# KiCad board Keyboard.kicad_pcb
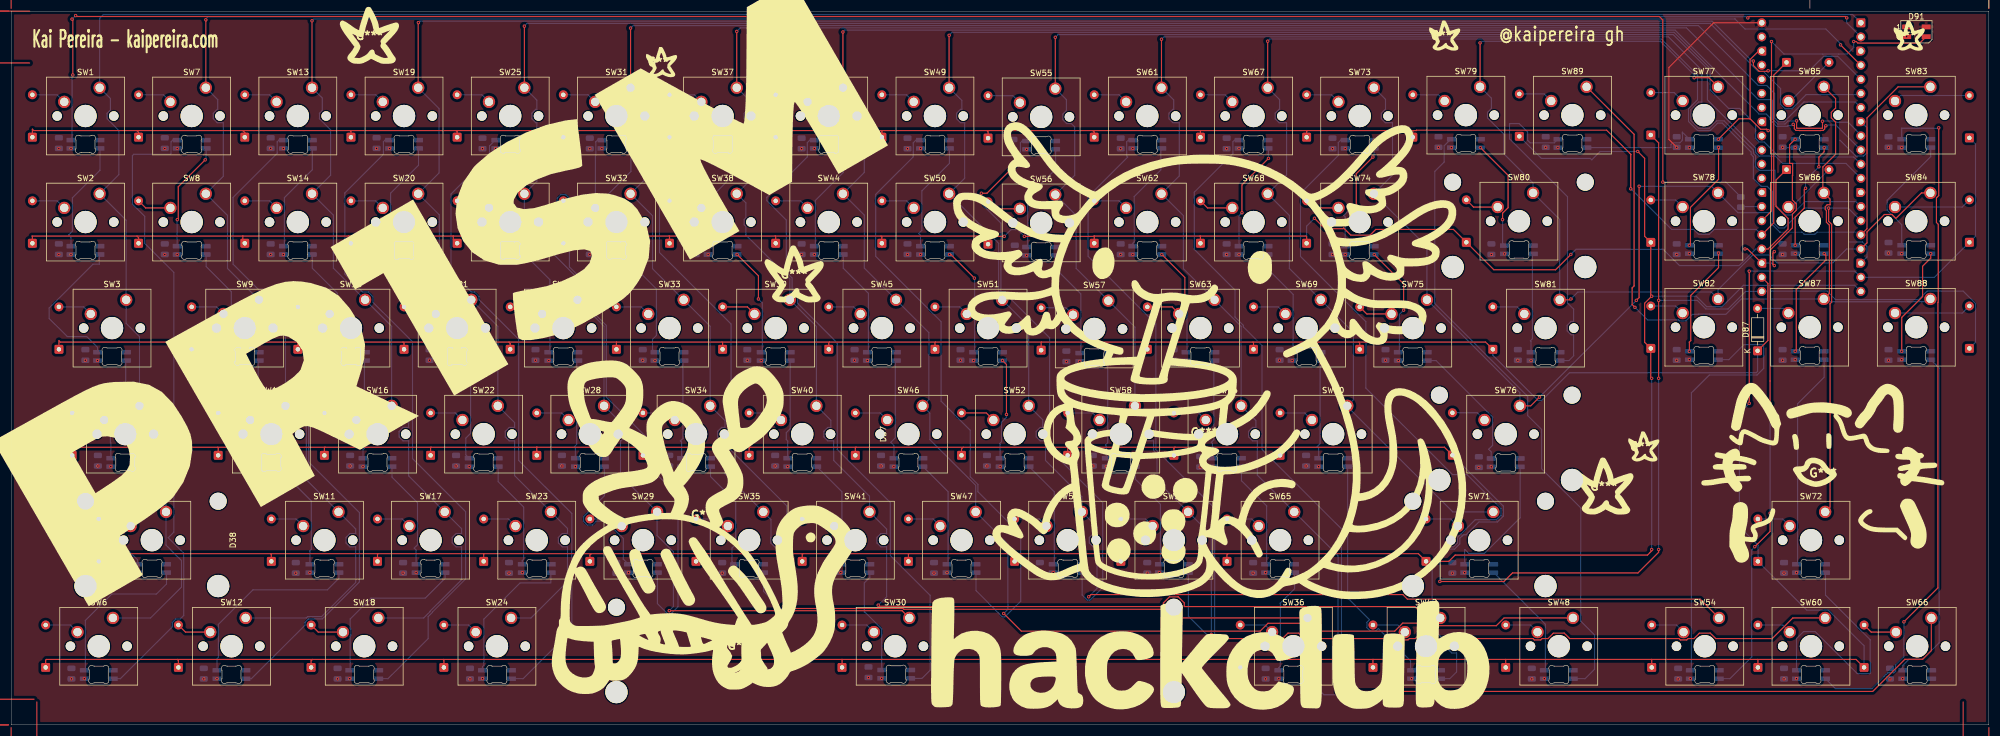
[diagram p0: board, top side]
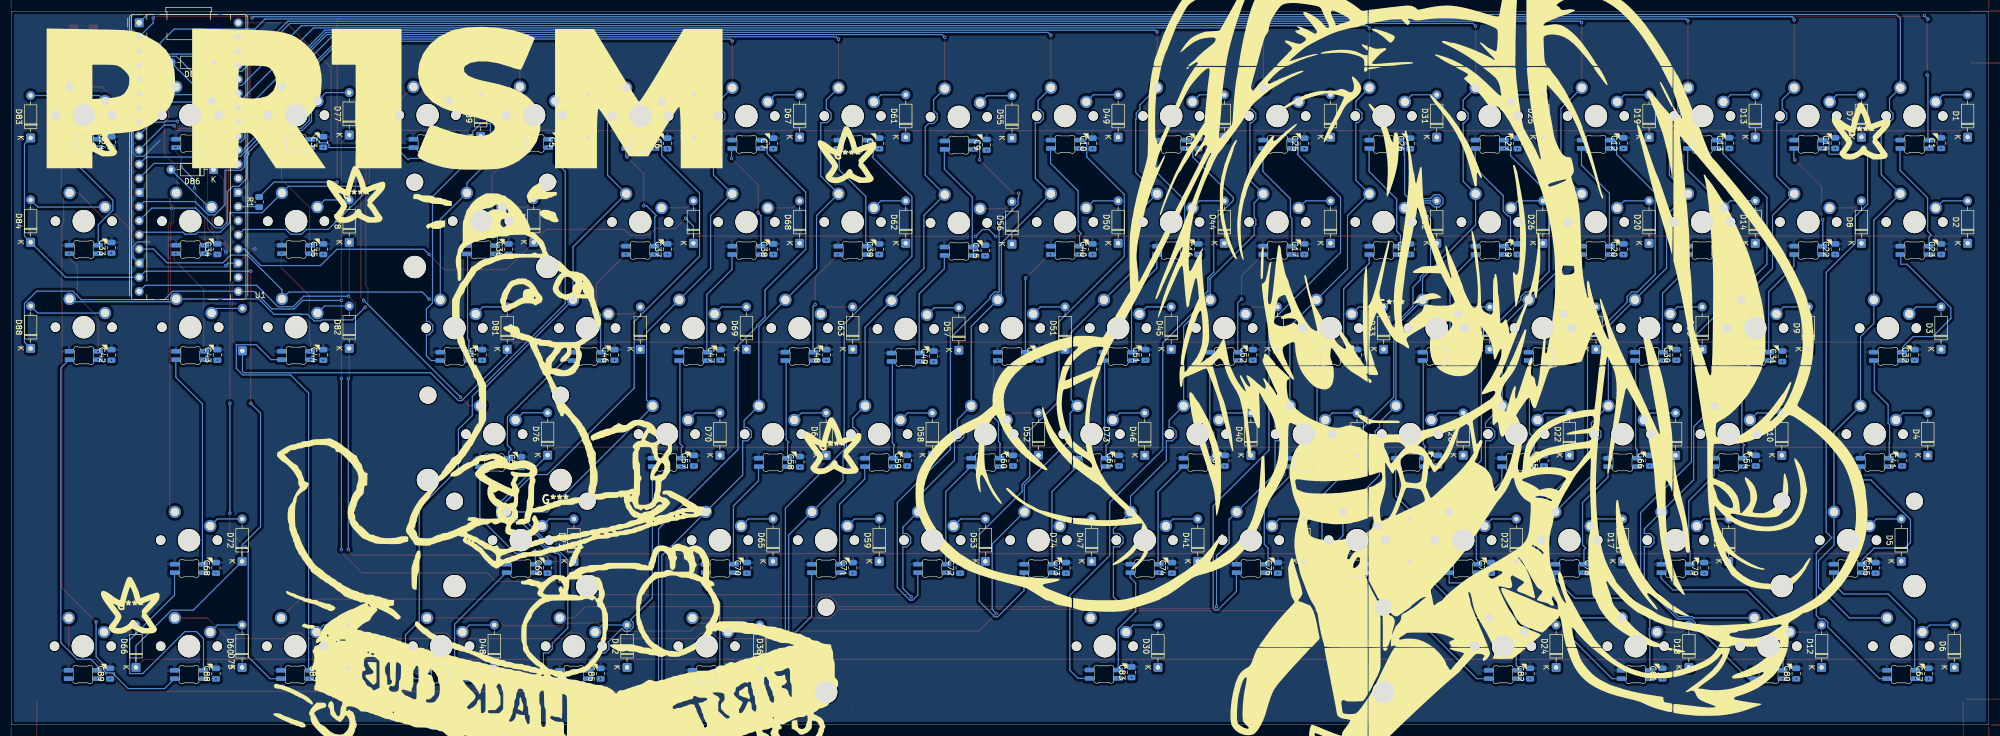
[diagram p1: board, bottom side, seen from below]

Outline 354.81 x 128.22 mm; copper layers: Top, Bottom. Coordinates in mm from the lower left corner of the outline.
Outline path: rectangle 0,128.22 354.81,0
Stack: Top 0.035mm / dielectric 1.51mm FR4 er 4.5 / Bottom 0.035mm

## Placement (name value [footprint] x y rotation side)
C1  0.1uF  [C_0805_2012Metric]  8.56 104.51 90 bottom
C2  0.1uF  [C_0805_2012Metric]  317.81 104.71 90 bottom
C3  0.1uF  [C_0805_2012Metric]  298.81 104.71 90 bottom
C4  0.1uF  [C_0805_2012Metric]  275.31 104.71 90 bottom
C5  0.1uF  [C_0805_2012Metric]  256.06 104.71 90 bottom
C6  0.1uF  [C_0805_2012Metric]  237.06 104.46 90 bottom
C7  0.1uF  [C_0805_2012Metric]  218.06 104.46 90 bottom
C8  0.1uF  [C_0805_2012Metric]  199.06 104.46 90 bottom
C9  0.1uF  [C_0805_2012Metric]  179.81 104.21 90 bottom
C10  0.1uF  [C_0805_2012Metric]  160.81 104.46 90 bottom
C11  0.1uF  [C_0805_2012Metric]  141.81 104.46 90 bottom
C12  0.1uF  [C_0805_2012Metric]  65.56 104.51 90 bottom
C13  0.1uF  [C_0805_2012Metric]  46.56 104.51 90 bottom
C14  0.1uF  [C_0805_2012Metric]  27.56 104.51 90 bottom
C15  0.1uF  [C_0805_2012Metric]  180.06 85.21 90 bottom
C16  0.1uF  [C_0805_2012Metric]  141.81 85.46 90 bottom
C17  0.1uF  [C_0805_2012Metric]  122.81 85.46 90 bottom
C18  0.1uF  [C_0805_2012Metric]  103.81 85.46 90 bottom
C19  0.1uF  [C_0805_2012Metric]  84.56 85.46 90 bottom
C20  0.1uF  [C_0805_2012Metric]  65.56 85.46 90 bottom
C21  0.1uF  [C_0805_2012Metric]  46.56 85.46 90 bottom
C22  0.1uF  [C_0805_2012Metric]  27.56 85.46 90 bottom
C23  0.1uF  [C_0805_2012Metric]  8.56 85.46 90 bottom
C24  0.1uF  [C_0805_2012Metric]  336.81 104.71 90 bottom
C25  0.1uF  [C_0805_2012Metric]  122.81 104.46 90 bottom
C26  0.1uF  [C_0805_2012Metric]  103.81 104.46 90 bottom
C27  0.1uF  [C_0805_2012Metric]  84.56 104.46 90 bottom
C28  0.1uF  [C_0805_2012Metric]  94.06 66.46 90 bottom
C29  0.1uF  [C_0805_2012Metric]  75.06 66.46 90 bottom
C30  0.1uF  [C_0805_2012Metric]  56.06 66.46 90 bottom
C31  0.1uF  [C_0805_2012Metric]  37.06 66.21 90 bottom
C32  0.1uF  [C_0805_2012Metric]  13.31 66.46 90 bottom
C33  0.1uF  [C_0805_2012Metric]  336.81 85.71 90 bottom
C34  0.1uF  [C_0805_2012Metric]  317.81 85.46 90 bottom
C35  0.1uF  [C_0805_2012Metric]  298.81 85.46 90 bottom
C36  0.1uF  [C_0805_2012Metric]  265.56 85.46 90 bottom
C37  0.1uF  [C_0805_2012Metric]  237.06 85.46 90 bottom
C38  0.1uF  [C_0805_2012Metric]  218.06 85.46 90 bottom
C39  0.1uF  [C_0805_2012Metric]  199.06 85.46 90 bottom
C40  0.1uF  [C_0805_2012Metric]  160.81 85.46 90 bottom
C41  0.1uF  [C_0805_2012Metric]  15.56 47.46 90 bottom
C42  0.1uF  [C_0805_2012Metric]  336.81 66.46 90 bottom
C43  0.1uF  [C_0805_2012Metric]  317.81 66.46 90 bottom
C44  0.1uF  [C_0805_2012Metric]  298.81 66.46 90 bottom
C45  0.1uF  [C_0805_2012Metric]  270.31 66.46 90 bottom
C46  0.1uF  [C_0805_2012Metric]  246.56 66.46 90 bottom
C47  0.1uF  [C_0805_2012Metric]  227.56 66.46 90 bottom
C48  0.1uF  [C_0805_2012Metric]  208.56 66.46 90 bottom
C49  0.1uF  [C_0805_2012Metric]  189.31 66.21 90 bottom
C50  0.1uF  [C_0805_2012Metric]  170.31 66.46 90 bottom
C51  0.1uF  [C_0805_2012Metric]  151.31 66.46 90 bottom
C52  0.1uF  [C_0805_2012Metric]  132.06 66.46 90 bottom
C53  0.1uF  [C_0805_2012Metric]  113.31 66.46 90 bottom
C54  0.1uF  [C_0805_2012Metric]  41.81 47.46 90 bottom
C55  0.1uF  [C_0805_2012Metric]  20.31 28.21 90 bottom
C56  0.1uF  [C_0805_2012Metric]  263.31 47.21 90 bottom
C57  0.1uF  [C_0805_2012Metric]  232.31 47.46 90 bottom
C58  0.1uF  [C_0805_2012Metric]  213.31 47.26 90 bottom
C59  0.1uF  [C_0805_2012Metric]  194.06 47.46 90 bottom
C60  0.1uF  [C_0805_2012Metric]  175.06 47.46 90 bottom
C61  0.1uF  [C_0805_2012Metric]  156.06 47.46 90 bottom
C62  0.1uF  [C_0805_2012Metric]  137.06 47.46 90 bottom
C63  0.1uF  [C_0805_2012Metric]  118.06 47.46 90 bottom
C64  0.1uF  [C_0805_2012Metric]  98.81 47.46 90 bottom
C65  0.1uF  [C_0805_2012Metric]  79.81 47.46 90 bottom
C66  0.1uF  [C_0805_2012Metric]  60.81 47.46 90 bottom
C67  0.1uF  [C_0805_2012Metric]  10.81 9.21 90 bottom
C68  0.1uF  [C_0805_2012Metric]  318.06 28.21 90 bottom
C69  0.1uF  [C_0805_2012Metric]  258.56 28.21 90 bottom
C70  0.1uF  [C_0805_2012Metric]  222.81 28.21 90 bottom
C71  0.1uF  [C_0805_2012Metric]  203.81 28.21 90 bottom
C72  0.1uF  [C_0805_2012Metric]  184.56 28.21 90 bottom
C73  0.1uF  [C_0805_2012Metric]  165.56 28.21 90 bottom
C74  0.1uF  [C_0805_2012Metric]  146.56 28.21 90 bottom
C75  0.1uF  [C_0805_2012Metric]  127.56 28.21 90 bottom
C76  0.1uF  [C_0805_2012Metric]  108.56 28.21 90 bottom
C77  0.1uF  [C_0805_2012Metric]  89.31 28.21 90 bottom
C78  0.1uF  [C_0805_2012Metric]  70.31 28.21 90 bottom
C79  0.1uF  [C_0805_2012Metric]  51.06 28.21 90 bottom
C80  0.1uF  [C_0805_2012Metric]  34.56 9.21 90 bottom
C81  0.1uF  [C_0805_2012Metric]  58.56 9.21 90 bottom
C82  0.1uF  [C_0805_2012Metric]  82.31 9.21 90 bottom
C83  0.1uF  [C_0805_2012Metric]  153.81 9.46 90 bottom
C84  0.1uF  [C_0805_2012Metric]  225.06 9.21 90 bottom
C85  0.1uF  [C_0805_2012Metric]  249.06 9.21 90 bottom
C86  0.1uF  [C_0805_2012Metric]  272.81 9.21 90 bottom
C87  0.1uF  [C_0805_2012Metric]  299.06 9.21 90 bottom
C88  0.1uF  [C_0805_2012Metric]  318.06 9.21 90 bottom
C89  0.1uF  [C_0805_2012Metric]  337.06 9.21 90 bottom
D1  1N4148  [D_DO-35_SOD27_P7.62mm_Horizontal]  3.81 105.57 90 bottom
D2  1N4148  [D_DO-35_SOD27_P7.62mm_Horizontal]  3.81 86.52 90 bottom
D3  1N4148  [D_DO-35_SOD27_P7.62mm_Horizontal]  8.57 67.47 90 bottom
D4  1N4148  [D_DO-35_SOD27_P7.62mm_Horizontal]  10.95 48.42 90 bottom
D5  1N4148  [D_DO-35_SOD27_P7.62mm_Horizontal]  15.72 29.37 90 bottom
D6  1N4148  [D_DO-35_SOD27_P7.62mm_Horizontal]  6.19 10.32 90 bottom
D7  1N4148  [D_DO-35_SOD27_P7.62mm_Horizontal]  22.86 105.57 90 bottom
D8  1N4148  [D_DO-35_SOD27_P7.62mm_Horizontal]  22.86 86.52 90 bottom
D9  1N4148  [D_DO-35_SOD27_P7.62mm_Horizontal]  32.38 67.47 90 bottom
D10  1N4148  [D_DO-35_SOD27_P7.62mm_Horizontal]  37.15 48.42 90 bottom
D11  1N4148  [D_DO-35_SOD27_P7.62mm_Horizontal]  46.67 29.37 90 bottom
D12  1N4148  [D_DO-35_SOD27_P7.62mm_Horizontal]  30 10.32 90 bottom
D13  1N4148  [D_DO-35_SOD27_P7.62mm_Horizontal]  41.91 105.57 90 bottom
D14  1N4148  [D_DO-35_SOD27_P7.62mm_Horizontal]  41.91 86.52 90 bottom
D15  1N4148  [D_DO-35_SOD27_P7.62mm_Horizontal]  51.44 67.47 90 bottom
D16  1N4148  [D_DO-35_SOD27_P7.62mm_Horizontal]  56.2 48.42 90 bottom
D17  1N4148  [D_DO-35_SOD27_P7.62mm_Horizontal]  65.72 29.37 90 bottom
D18  1N4148  [D_DO-35_SOD27_P7.62mm_Horizontal]  53.82 10.32 90 bottom
D19  1N4148  [D_DO-35_SOD27_P7.62mm_Horizontal]  60.96 105.57 90 bottom
D20  1N4148  [D_DO-35_SOD27_P7.62mm_Horizontal]  60.96 86.52 90 bottom
D21  1N4148  [D_DO-35_SOD27_P7.62mm_Horizontal]  70.48 67.47 90 bottom
D22  1N4148  [D_DO-35_SOD27_P7.62mm_Horizontal]  75.25 48.42 90 bottom
D23  1N4148  [D_DO-35_SOD27_P7.62mm_Horizontal]  84.77 29.37 90 bottom
D24  1N4148  [D_DO-35_SOD27_P7.62mm_Horizontal]  77.63 10.32 90 bottom
D25  1N4148  [D_DO-35_SOD27_P7.62mm_Horizontal]  80.01 105.57 90 bottom
D26  1N4148  [D_DO-35_SOD27_P7.62mm_Horizontal]  80.01 86.52 90 bottom
D27  1N4148  [D_DO-35_SOD27_P7.62mm_Horizontal]  89.53 67.47 90 bottom
D28  1N4148  [D_DO-35_SOD27_P7.62mm_Horizontal]  94.3 48.42 90 bottom
D29  1N4148  [D_DO-35_SOD27_P7.62mm_Horizontal]  103.82 29.37 90 bottom
D30  1N4148  [D_DO-35_SOD27_P7.62mm_Horizontal]  149.07 10.32 90 bottom
D31  1N4148  [D_DO-35_SOD27_P7.62mm_Horizontal]  99.06 105.57 90 bottom
D32  1N4148  [D_DO-35_SOD27_P7.62mm_Horizontal]  99.06 86.52 90 bottom
D33  1N4148  [D_DO-35_SOD27_P7.62mm_Horizontal]  108.58 67.47 90 bottom
D34  1N4148  [D_DO-35_SOD27_P7.62mm_Horizontal]  113.35 48.42 90 bottom
D35  1N4148  [D_DO-35_SOD27_P7.62mm_Horizontal]  122.87 29.37 90 bottom
D36  1N4148  [D_DO-35_SOD27_P7.62mm_Horizontal]  220.5 10.32 90 bottom
D37  1N4148  [D_DO-35_SOD27_P7.62mm_Horizontal]  118.11 105.57 90 bottom
D38  1N4148  [D_DO-35_SOD27_P7.62mm_Horizontal]  118.11 86.52 90 bottom
D39  1N4148  [D_DO-35_SOD27_P7.62mm_Horizontal]  127.64 67.47 90 bottom
D40  1N4148  [D_DO-35_SOD27_P7.62mm_Horizontal]  132.4 48.42 90 bottom
D41  1N4148  [D_DO-35_SOD27_P7.62mm_Horizontal]  141.92 29.37 90 bottom
D42  1N4148  [D_DO-35_SOD27_P7.62mm_Horizontal]  244.32 10.32 90 bottom
D43  1N4148  [D_DO-35_SOD27_P7.62mm_Horizontal]  137.16 105.57 90 bottom
D44  1N4148  [D_DO-35_SOD27_P7.62mm_Horizontal]  137.16 86.52 90 bottom
D45  1N4148  [D_DO-35_SOD27_P7.62mm_Horizontal]  146.69 67.47 90 bottom
D46  1N4148  [D_DO-35_SOD27_P7.62mm_Horizontal]  151.45 48.42 90 bottom
D47  1N4148  [D_DO-35_SOD27_P7.62mm_Horizontal]  160.97 29.37 90 bottom
D48  1N4148  [D_DO-35_SOD27_P7.62mm_Horizontal]  268.13 10.32 90 bottom
D49  1N4148  [D_DO-35_SOD27_P7.62mm_Horizontal]  156.21 105.57 90 bottom
D50  1N4148  [D_DO-35_SOD27_P7.62mm_Horizontal]  156.21 86.52 90 bottom
D51  1N4148  [D_DO-35_SOD27_P7.62mm_Horizontal]  165.74 67.47 90 bottom
D52  1N4148  [D_DO-35_SOD27_P7.62mm_Horizontal]  170.5 48.42 90 bottom
D53  1N4148  [D_DO-35_SOD27_P7.62mm_Horizontal]  180.02 29.37 90 bottom
D54  1N4148  [D_DO-35_SOD27_P7.62mm_Horizontal]  294.32 10.32 90 bottom
D55  1N4148  [D_DO-35_SOD27_P7.62mm_Horizontal]  175.26 105.41 90 bottom
D56  1N4148  [D_DO-35_SOD27_P7.62mm_Horizontal]  175.26 86.36 90 bottom
D57  1N4148  [D_DO-35_SOD27_P7.62mm_Horizontal]  184.78 67.31 90 bottom
D58  1N4148  [D_DO-35_SOD27_P7.62mm_Horizontal]  189.55 48.42 90 bottom
D59  1N4148  [D_DO-35_SOD27_P7.62mm_Horizontal]  199.07 29.37 90 bottom
D60  1N4148  [D_DO-35_SOD27_P7.62mm_Horizontal]  313.37 10.32 90 bottom
D61  1N4148  [D_DO-35_SOD27_P7.62mm_Horizontal]  194.31 105.57 90 bottom
D62  1N4148  [D_DO-35_SOD27_P7.62mm_Horizontal]  194.31 86.52 90 bottom
D63  1N4148  [D_DO-35_SOD27_P7.62mm_Horizontal]  203.84 67.47 90 bottom
D64  1N4148  [D_DO-35_SOD27_P7.62mm_Horizontal]  208.6 48.42 90 bottom
D65  1N4148  [D_DO-35_SOD27_P7.62mm_Horizontal]  218.12 29.37 90 bottom
D66  1N4148  [D_DO-35_SOD27_P7.62mm_Horizontal]  332.42 10.32 90 bottom
D67  1N4148  [D_DO-35_SOD27_P7.62mm_Horizontal]  213.36 105.57 90 bottom
D68  1N4148  [D_DO-35_SOD27_P7.62mm_Horizontal]  213.36 86.52 90 bottom
D69  1N4148  [D_DO-35_SOD27_P7.62mm_Horizontal]  222.88 67.47 90 bottom
D70  1N4148  [D_DO-35_SOD27_P7.62mm_Horizontal]  227.65 48.42 90 bottom
D71  1N4148  [D_DO-35_SOD27_P7.62mm_Horizontal]  253.84 29.37 90 bottom
D72  1N4148  [D_DO-35_SOD27_P7.62mm_Horizontal]  313.37 29.37 90 bottom
D73  1N4148  [D_DO-35_SOD27_P7.62mm_Horizontal]  232.41 105.57 90 bottom
D74  1N4148  [D_DO-35_SOD27_P7.62mm_Horizontal]  232.41 86.52 90 bottom
D75  1N4148  [D_DO-35_SOD27_P7.62mm_Horizontal]  241.94 67.47 90 bottom
D76  1N4148  [D_DO-35_SOD27_P7.62mm_Horizontal]  258.56 48.45 90 bottom
D77  1N4148  [D_DO-35_SOD27_P7.62mm_Horizontal]  294.16 105.97 90 bottom
D78  1N4148  [D_DO-35_SOD27_P7.62mm_Horizontal]  294.16 86.68 90 bottom
D79  1N4148  [D_DO-35_SOD27_P7.62mm_Horizontal]  251.46 105.57 90 bottom
D80  1N4148  [D_DO-35_SOD27_P7.62mm_Horizontal]  261.06 86.7 90 bottom
D81  1N4148  [D_DO-35_SOD27_P7.62mm_Horizontal]  265.81 67.47 90 bottom
D82  1N4148  [D_DO-35_SOD27_P7.62mm_Horizontal]  294.16 67.63 90 bottom
D83  1N4148  [D_DO-35_SOD27_P7.62mm_Horizontal]  351.31 105.45 90 bottom
D84  1N4148  [D_DO-35_SOD27_P7.62mm_Horizontal]  351.31 86.7 90 bottom
D85  1N4148  [D_DO-35_SOD27_P7.62mm_Horizontal]  318.5 119.01 0 bottom
D86  1N4148  [D_DO-35_SOD27_P7.62mm_Horizontal]  318.5 99.76 0 bottom
D87  1N4148  [D_DO-35_SOD27_P7.62mm_Horizontal]  313.31 67.2 90 top
D88  1N4148  [D_DO-35_SOD27_P7.62mm_Horizontal]  351.31 67.63 90 bottom
D89  1N4148  [D_DO-35_SOD27_P7.62mm_Horizontal]  270.57 105.73 90 bottom
D90  SK6812MINI  [MX_SK6812MINI-E_REV]  13.34 90.33 0 top
D91  SK6812MINI  [LED_SK6812MINI_PLCC4_3.5x3.5mm_P1.75mm]  341.81 124.51 0 top
D92  SK6812MINI  [MX_SK6812MINI-E_REV]  13.34 109.38 0 top
D93  SK6812MINI  [MX_SK6812MINI-E_REV]  18.1 71.28 0 top
D94  SK6812MINI  [MX_SK6812MINI-E_REV]  20.48 52.23 0 top
D95  SK6812MINI  [MX_SK6812MINI-E_REV]  25.27 33.18 0 top
D96  SK6812MINI  [MX_SK6812MINI-E_REV]  15.72 14.13 0 top
D97  SK6812MINI  [MX_SK6812MINI-E_REV]  32.38 109.38 0 top
D98  SK6812MINI  [MX_SK6812MINI-E_REV]  32.38 90.33 0 top
D99  SK6812MINI  [MX_SK6812MINI-E_REV]  41.91 71.28 0 top
D100  SK6812MINI  [MX_SK6812MINI-E_REV]  46.67 52.23 0 top
D101  SK6812MINI  [MX_SK6812MINI-E_REV]  56.2 33.18 0 top
D102  SK6812MINI  [MX_SK6812MINI-E_REV]  39.53 14.13 0 top
D103  SK6812MINI  [MX_SK6812MINI-E_REV]  51.44 109.38 0 top
D104  SK6812MINI  [MX_SK6812MINI-E_REV]  51.44 90.33 0 top
D105  SK6812MINI  [MX_SK6812MINI-E_REV]  60.96 71.28 0 top
D106  SK6812MINI  [MX_SK6812MINI-E_REV]  65.72 52.23 0 top
D107  SK6812MINI  [MX_SK6812MINI-E_REV]  75.25 33.18 0 top
D108  SK6812MINI  [MX_SK6812MINI-E_REV]  63.34 14.13 0 top
D109  SK6812MINI  [MX_SK6812MINI-E_REV]  70.48 109.38 0 top
D110  SK6812MINI  [MX_SK6812MINI-E_REV]  70.48 90.33 0 top
D111  SK6812MINI  [MX_SK6812MINI-E_REV]  80.01 71.28 0 top
D112  SK6812MINI  [MX_SK6812MINI-E_REV]  84.77 52.23 0 top
D113  SK6812MINI  [MX_SK6812MINI-E_REV]  94.3 33.18 0 top
D114  SK6812MINI  [MX_SK6812MINI-E_REV]  87.15 14.13 0 top
D115  SK6812MINI  [MX_SK6812MINI-E_REV]  89.53 109.38 0 top
D116  SK6812MINI  [MX_SK6812MINI-E_REV]  89.53 90.33 0 top
D117  SK6812MINI  [MX_SK6812MINI-E_REV]  99.06 71.28 0 top
D118  SK6812MINI  [MX_SK6812MINI-E_REV]  103.82 52.23 0 top
D119  SK6812MINI  [MX_SK6812MINI-E_REV]  113.35 33.18 0 top
D120  SK6812MINI  [MX_SK6812MINI-E_REV]  108.58 109.38 0 top
D121  SK6812MINI  [MX_SK6812MINI-E_REV]  108.58 90.33 0 top
D122  SK6812MINI  [MX_SK6812MINI-E_REV]  118.11 71.28 0 top
D123  SK6812MINI  [MX_SK6812MINI-E_REV]  122.87 52.23 0 top
D124  SK6812MINI  [MX_SK6812MINI-E_REV]  132.4 33.18 0 top
D125  SK6812MINI  [MX_SK6812MINI-E_REV]  127.64 109.38 0 top
D126  SK6812MINI  [MX_SK6812MINI-E_REV]  127.64 90.33 0 top
D127  SK6812MINI  [MX_SK6812MINI-E_REV]  137.16 71.28 0 top
D128  SK6812MINI  [MX_SK6812MINI-E_REV]  141.92 52.23 0 top
D129  SK6812MINI  [MX_SK6812MINI-E_REV]  151.45 33.18 0 top
D130  SK6812MINI  [MX_SK6812MINI-E_REV]  158.78 14.18 0 top
D131  SK6812MINI  [MX_SK6812MINI-E_REV]  146.69 109.38 0 top
D132  SK6812MINI  [MX_SK6812MINI-E_REV]  146.69 90.33 0 top
D133  SK6812MINI  [MX_SK6812MINI-E_REV]  156.21 71.28 0 top
D134  SK6812MINI  [MX_SK6812MINI-E_REV]  160.97 52.23 0 top
D135  SK6812MINI  [MX_SK6812MINI-E_REV]  170.5 33.18 0 top
D136  SK6812MINI  [MX_SK6812MINI-E_REV]  165.74 109.38 0 top
D137  SK6812MINI  [MX_SK6812MINI-E_REV]  165.74 90.33 0 top
D138  SK6812MINI  [MX_SK6812MINI-E_REV]  175.26 71.28 0 top
D139  SK6812MINI  [MX_SK6812MINI-E_REV]  180.02 52.23 0 top
D140  SK6812MINI  [MX_SK6812MINI-E_REV]  189.55 33.18 0 top
D141  SK6812MINI  [MX_SK6812MINI-E_REV]  184.78 109.22 0 top
D142  SK6812MINI  [MX_SK6812MINI-E_REV]  184.78 90.17 0 top
D143  SK6812MINI  [MX_SK6812MINI-E_REV]  194.31 71.12 0 top
D144  SK6812MINI  [MX_SK6812MINI-E_REV]  199.07 52.23 0 top
D145  SK6812MINI  [MX_SK6812MINI-E_REV]  208.6 33.18 0 top
D146  SK6812MINI  [MX_SK6812MINI-E_REV]  203.84 109.38 0 top
D147  SK6812MINI  [MX_SK6812MINI-E_REV]  203.84 90.33 0 top
D148  SK6812MINI  [MX_SK6812MINI-E_REV]  213.36 71.28 0 top
D149  SK6812MINI  [MX_SK6812MINI-E_REV]  218.12 52.23 0 top
D150  SK6812MINI  [MX_SK6812MINI-E_REV]  227.65 33.18 0 top
D151  SK6812MINI  [MX_SK6812MINI-E_REV]  230.03 14.13 0 top
D152  SK6812MINI  [MX_SK6812MINI-E_REV]  222.88 109.38 0 top
D153  SK6812MINI  [MX_SK6812MINI-E_REV]  222.88 90.33 0 top
D154  SK6812MINI  [MX_SK6812MINI-E_REV]  232.41 71.28 0 top
D155  SK6812MINI  [MX_SK6812MINI-E_REV]  237.17 52.23 0 top
D156  SK6812MINI  [MX_SK6812MINI-E_REV]  253.84 14.13 0 top
D157  SK6812MINI  [MX_SK6812MINI-E_REV]  241.94 109.38 0 top
D158  SK6812MINI  [MX_SK6812MINI-E_REV]  241.94 90.33 0 top
D159  SK6812MINI  [MX_SK6812MINI-E_REV]  251.46 71.28 0 top
D160  SK6812MINI  [MX_SK6812MINI-E_REV]  268.13 52.18 0 top
D161  SK6812MINI  [MX_SK6812MINI-E_REV]  263.37 33.18 0 top
D162  SK6812MINI  [MX_SK6812MINI-E_REV]  277.65 14.13 0 top
D163  SK6812MINI  [MX_SK6812MINI-E_REV]  260.99 109.54 0 top
D164  SK6812MINI  [MX_SK6812MINI-E_REV]  270.5 90.43 0 top
D165  SK6812MINI  [MX_SK6812MINI-E_REV]  275.27 71.28 0 top
D166  SK6812MINI  [MX_SK6812MINI-E_REV]  280.09 109.54 0 top
D167  SK6812MINI  [MX_SK6812MINI-E_REV]  303.68 109.54 0 top
D168  SK6812MINI  [MX_SK6812MINI-E_REV]  303.68 90.49 0 top
D169  SK6812MINI  [MX_SK6812MINI-E_REV]  303.68 71.44 0 top
D170  SK6812MINI  [MX_SK6812MINI-E_REV]  303.85 14.13 0 top
D171  SK6812MINI  [MX_SK6812MINI-E_REV]  322.66 109.54 0 top
D172  SK6812MINI  [MX_SK6812MINI-E_REV]  322.66 90.49 0 top
D173  SK6812MINI  [MX_SK6812MINI-E_REV]  322.66 71.44 0 top
D174  SK6812MINI  [MX_SK6812MINI-E_REV]  322.9 33.18 0 top
D175  SK6812MINI  [MX_SK6812MINI-E_REV]  322.9 14.13 0 top
D176  SK6812MINI  [MX_SK6812MINI-E_REV]  341.78 109.54 0 top
D177  SK6812MINI  [MX_SK6812MINI-E_REV]  341.78 90.49 0 top
D178  SK6812MINI  [MX_SK6812MINI-E_REV]  341.78 71.44 0 top
D179  SK6812MINI  [MX_SK6812MINI-E_REV]  341.95 14.13 0 top
G***  -  [LOGO]  77.06 77.51 30 top
G***#2  -  [LOGO]  257.18 123.82 0 top
G***#3  -  [LOGO]  292.89 50.01 0 top
G***#4  -  [LOGO]  214.06 52.51 0 top
G***#5  -  [LOGO]  64.29 123.82 0 top
G***#6  -  [LOGO]  140.49 80.96 0 top
G***#7  -  [LOGO]  116.68 119.06 0 top
G***#8  -  [LOGO]  340.52 123.82 0 top
G***#9  -  [LOGO]  285.75 42.86 0 top
G***#10  -  [LOGO]  325.06 45.26 0 top
G***#11  -  [LOGO]  124.42 37.71 0 top
G***#12  -  [LOGO]  130.97 14.29 0 top
G***#13  -  [LOGO]  340.52 107.16 180 bottom
G***#14  -  [LOGO]  333.38 21.43 180 bottom
G***#15  -  [LOGO]  107.19 75.52 180 bottom
G***#16  -  [LOGO]  257.18 40.48 180 bottom
G***#17  -  [LOGO]  22.86 106.61 180 bottom
G***#18  -  [LOGO]  292.89 95.25 180 bottom
G***#19  -  [LOGO]  207.48 50.11 180 bottom
G***#20  -  [LOGO]  287.81 112.51 180 bottom
G***#21  -  [LOGO]  204.79 102.39 180 bottom
R1  330 OHMS  [R_0805_2012Metric]  310.31 93.92 90 bottom
SW1  SW_Push  [SW_Cherry_MX_1.00u_PCB]  15.88 114.46 0 top
SW2  SW_Push  [SW_Cherry_MX_1.00u_PCB]  15.88 95.41 0 top
SW3  SW_Push  [SW_Cherry_MX_1.50u_PCB]  20.64 76.36 0 top
SW4  SW_Push  [SW_Cherry_MX_1.75u_PCB]  23.02 57.31 0 top
SW5  SW_Push  [SW_Cherry_MX_2.25u_PCB]  27.78 38.26 0 top
SW6  SW_Push  [SW_Cherry_MX_1.25u_PCB]  18.26 19.21 0 top
SW7  SW_Push  [SW_Cherry_MX_1.00u_PCB]  34.92 114.46 0 top
SW8  SW_Push  [SW_Cherry_MX_1.00u_PCB]  34.92 95.41 0 top
SW9  SW_Push  [SW_Cherry_MX_1.00u_PCB]  44.45 76.36 0 top
SW10  SW_Push  [SW_Cherry_MX_1.00u_PCB]  49.21 57.31 0 top
SW11  SW_Push  [SW_Cherry_MX_1.00u_PCB]  58.74 38.26 0 top
SW12  SW_Push  [SW_Cherry_MX_1.25u_PCB]  42.07 19.21 0 top
SW13  SW_Push  [SW_Cherry_MX_1.00u_PCB]  53.98 114.46 0 top
SW14  SW_Push  [SW_Cherry_MX_1.00u_PCB]  53.98 95.41 0 top
SW15  SW_Push  [SW_Cherry_MX_1.00u_PCB]  63.5 76.36 0 top
SW16  SW_Push  [SW_Cherry_MX_1.00u_PCB]  68.26 57.31 0 top
SW17  SW_Push  [SW_Cherry_MX_1.00u_PCB]  77.79 38.26 0 top
SW18  SW_Push  [SW_Cherry_MX_1.25u_PCB]  65.88 19.21 0 top
SW19  SW_Push  [SW_Cherry_MX_1.00u_PCB]  73.03 114.46 0 top
SW20  SW_Push  [SW_Cherry_MX_1.00u_PCB]  73.03 95.41 0 top
SW21  SW_Push  [SW_Cherry_MX_1.00u_PCB]  82.55 76.36 0 top
SW22  SW_Push  [SW_Cherry_MX_1.00u_PCB]  87.31 57.31 0 top
SW23  SW_Push  [SW_Cherry_MX_1.00u_PCB]  96.84 38.26 0 top
SW24  SW_Push  [SW_Cherry_MX_1.25u_PCB]  89.69 19.21 0 top
SW25  SW_Push  [SW_Cherry_MX_1.00u_PCB]  92.08 114.46 0 top
SW26  SW_Push  [SW_Cherry_MX_1.00u_PCB]  92.08 95.41 0 top
SW27  SW_Push  [SW_Cherry_MX_1.00u_PCB]  101.6 76.36 0 top
SW28  SW_Push  [SW_Cherry_MX_1.00u_PCB]  106.36 57.31 0 top
SW29  SW_Push  [SW_Cherry_MX_1.00u_PCB]  115.89 38.26 0 top
SW30  SW_Push  [SW_Cherry_MX_6.25u_PCB]  161.13 19.21 0 top
SW31  SW_Push  [SW_Cherry_MX_1.00u_PCB]  111.12 114.46 0 top
SW32  SW_Push  [SW_Cherry_MX_1.00u_PCB]  111.12 95.41 0 top
SW33  SW_Push  [SW_Cherry_MX_1.00u_PCB]  120.65 76.36 0 top
SW34  SW_Push  [SW_Cherry_MX_1.00u_PCB]  125.41 57.31 0 top
SW35  SW_Push  [SW_Cherry_MX_1.00u_PCB]  134.94 38.26 0 top
SW36  SW_Push  [SW_Cherry_MX_1.25u_PCB]  232.57 19.21 0 top
SW37  SW_Push  [SW_Cherry_MX_1.00u_PCB]  130.18 114.46 0 top
SW38  SW_Push  [SW_Cherry_MX_1.00u_PCB]  130.18 95.41 0 top
SW39  SW_Push  [SW_Cherry_MX_1.00u_PCB]  139.7 76.36 0 top
SW40  SW_Push  [SW_Cherry_MX_1.00u_PCB]  144.46 57.31 0 top
SW41  SW_Push  [SW_Cherry_MX_1.00u_PCB]  153.99 38.26 0 top
SW42  SW_Push  [SW_Cherry_MX_1.25u_PCB]  256.38 19.21 0 top
SW43  SW_Push  [SW_Cherry_MX_1.00u_PCB]  149.22 114.46 0 top
SW44  SW_Push  [SW_Cherry_MX_1.00u_PCB]  149.22 95.41 0 top
SW45  SW_Push  [SW_Cherry_MX_1.00u_PCB]  158.75 76.36 0 top
SW46  SW_Push  [SW_Cherry_MX_1.00u_PCB]  163.51 57.31 0 top
SW47  SW_Push  [SW_Cherry_MX_1.00u_PCB]  173.04 38.26 0 top
SW48  SW_Push  [SW_Cherry_MX_1.25u_PCB]  280.19 19.21 0 top
SW49  SW_Push  [SW_Cherry_MX_1.00u_PCB]  168.28 114.46 0 top
SW50  SW_Push  [SW_Cherry_MX_1.00u_PCB]  168.28 95.41 0 top
SW51  SW_Push  [SW_Cherry_MX_1.00u_PCB]  177.8 76.36 0 top
SW52  SW_Push  [SW_Cherry_MX_1.00u_PCB]  182.56 57.31 0 top
SW53  SW_Push  [SW_Cherry_MX_1.00u_PCB]  192.09 38.26 0 top
SW54  SW_Push  [SW_Cherry_MX_1.00u_PCB]  306.39 19.21 0 top
SW55  SW_Push  [SW_Cherry_MX_1.00u_PCB]  187.32 114.3 0 top
SW56  SW_Push  [SW_Cherry_MX_1.00u_PCB]  187.32 95.25 0 top
SW57  SW_Push  [SW_Cherry_MX_1.00u_PCB]  196.85 76.2 0 top
SW58  SW_Push  [SW_Cherry_MX_1.00u_PCB]  201.61 57.31 0 top
SW59  SW_Push  [SW_Cherry_MX_1.00u_PCB]  211.14 38.26 0 top
SW60  SW_Push  [SW_Cherry_MX_1.00u_PCB]  325.44 19.21 0 top
SW61  SW_Push  [SW_Cherry_MX_1.00u_PCB]  206.38 114.46 0 top
SW62  SW_Push  [SW_Cherry_MX_1.00u_PCB]  206.38 95.41 0 top
SW63  SW_Push  [SW_Cherry_MX_1.00u_PCB]  215.9 76.36 0 top
SW64  SW_Push  [SW_Cherry_MX_1.00u_PCB]  220.66 57.31 0 top
SW65  SW_Push  [SW_Cherry_MX_1.00u_PCB]  230.19 38.26 0 top
SW66  SW_Push  [SW_Cherry_MX_1.00u_PCB]  344.49 19.21 0 top
SW67  SW_Push  [SW_Cherry_MX_1.00u_PCB]  225.43 114.46 0 top
SW68  SW_Push  [SW_Cherry_MX_1.00u_PCB]  225.43 95.41 0 top
SW69  SW_Push  [SW_Cherry_MX_1.00u_PCB]  234.95 76.36 0 top
SW70  SW_Push  [SW_Cherry_MX_1.00u_PCB]  239.71 57.31 0 top
SW71  SW_Push  [SW_Cherry_MX_2.75u_PCB]  265.91 38.26 0 top
SW72  SW_Push  [SW_Cherry_MX_1.00u_PCB]  325.44 38.26 0 top
SW73  SW_Push  [SW_Cherry_MX_1.00u_PCB]  244.47 114.46 0 top
SW74  SW_Push  [SW_Cherry_MX_1.00u_PCB]  244.47 95.41 0 top